# Altium PCB LimeSDR-XTRX_1v1.PcbDoc (part 3 of 8)
Units mm, origin at the board's own origin, x right, y up, seen from the top; angles counter-clockwise.
Board outline 50.8 x 29.7 mm, 8 copper layers (Top, L2, L3, L4, L5, L6, L7, Bottom), stack 0.925 mm thick; 536 components, 379 nets, 2133 pads, 899 vias.
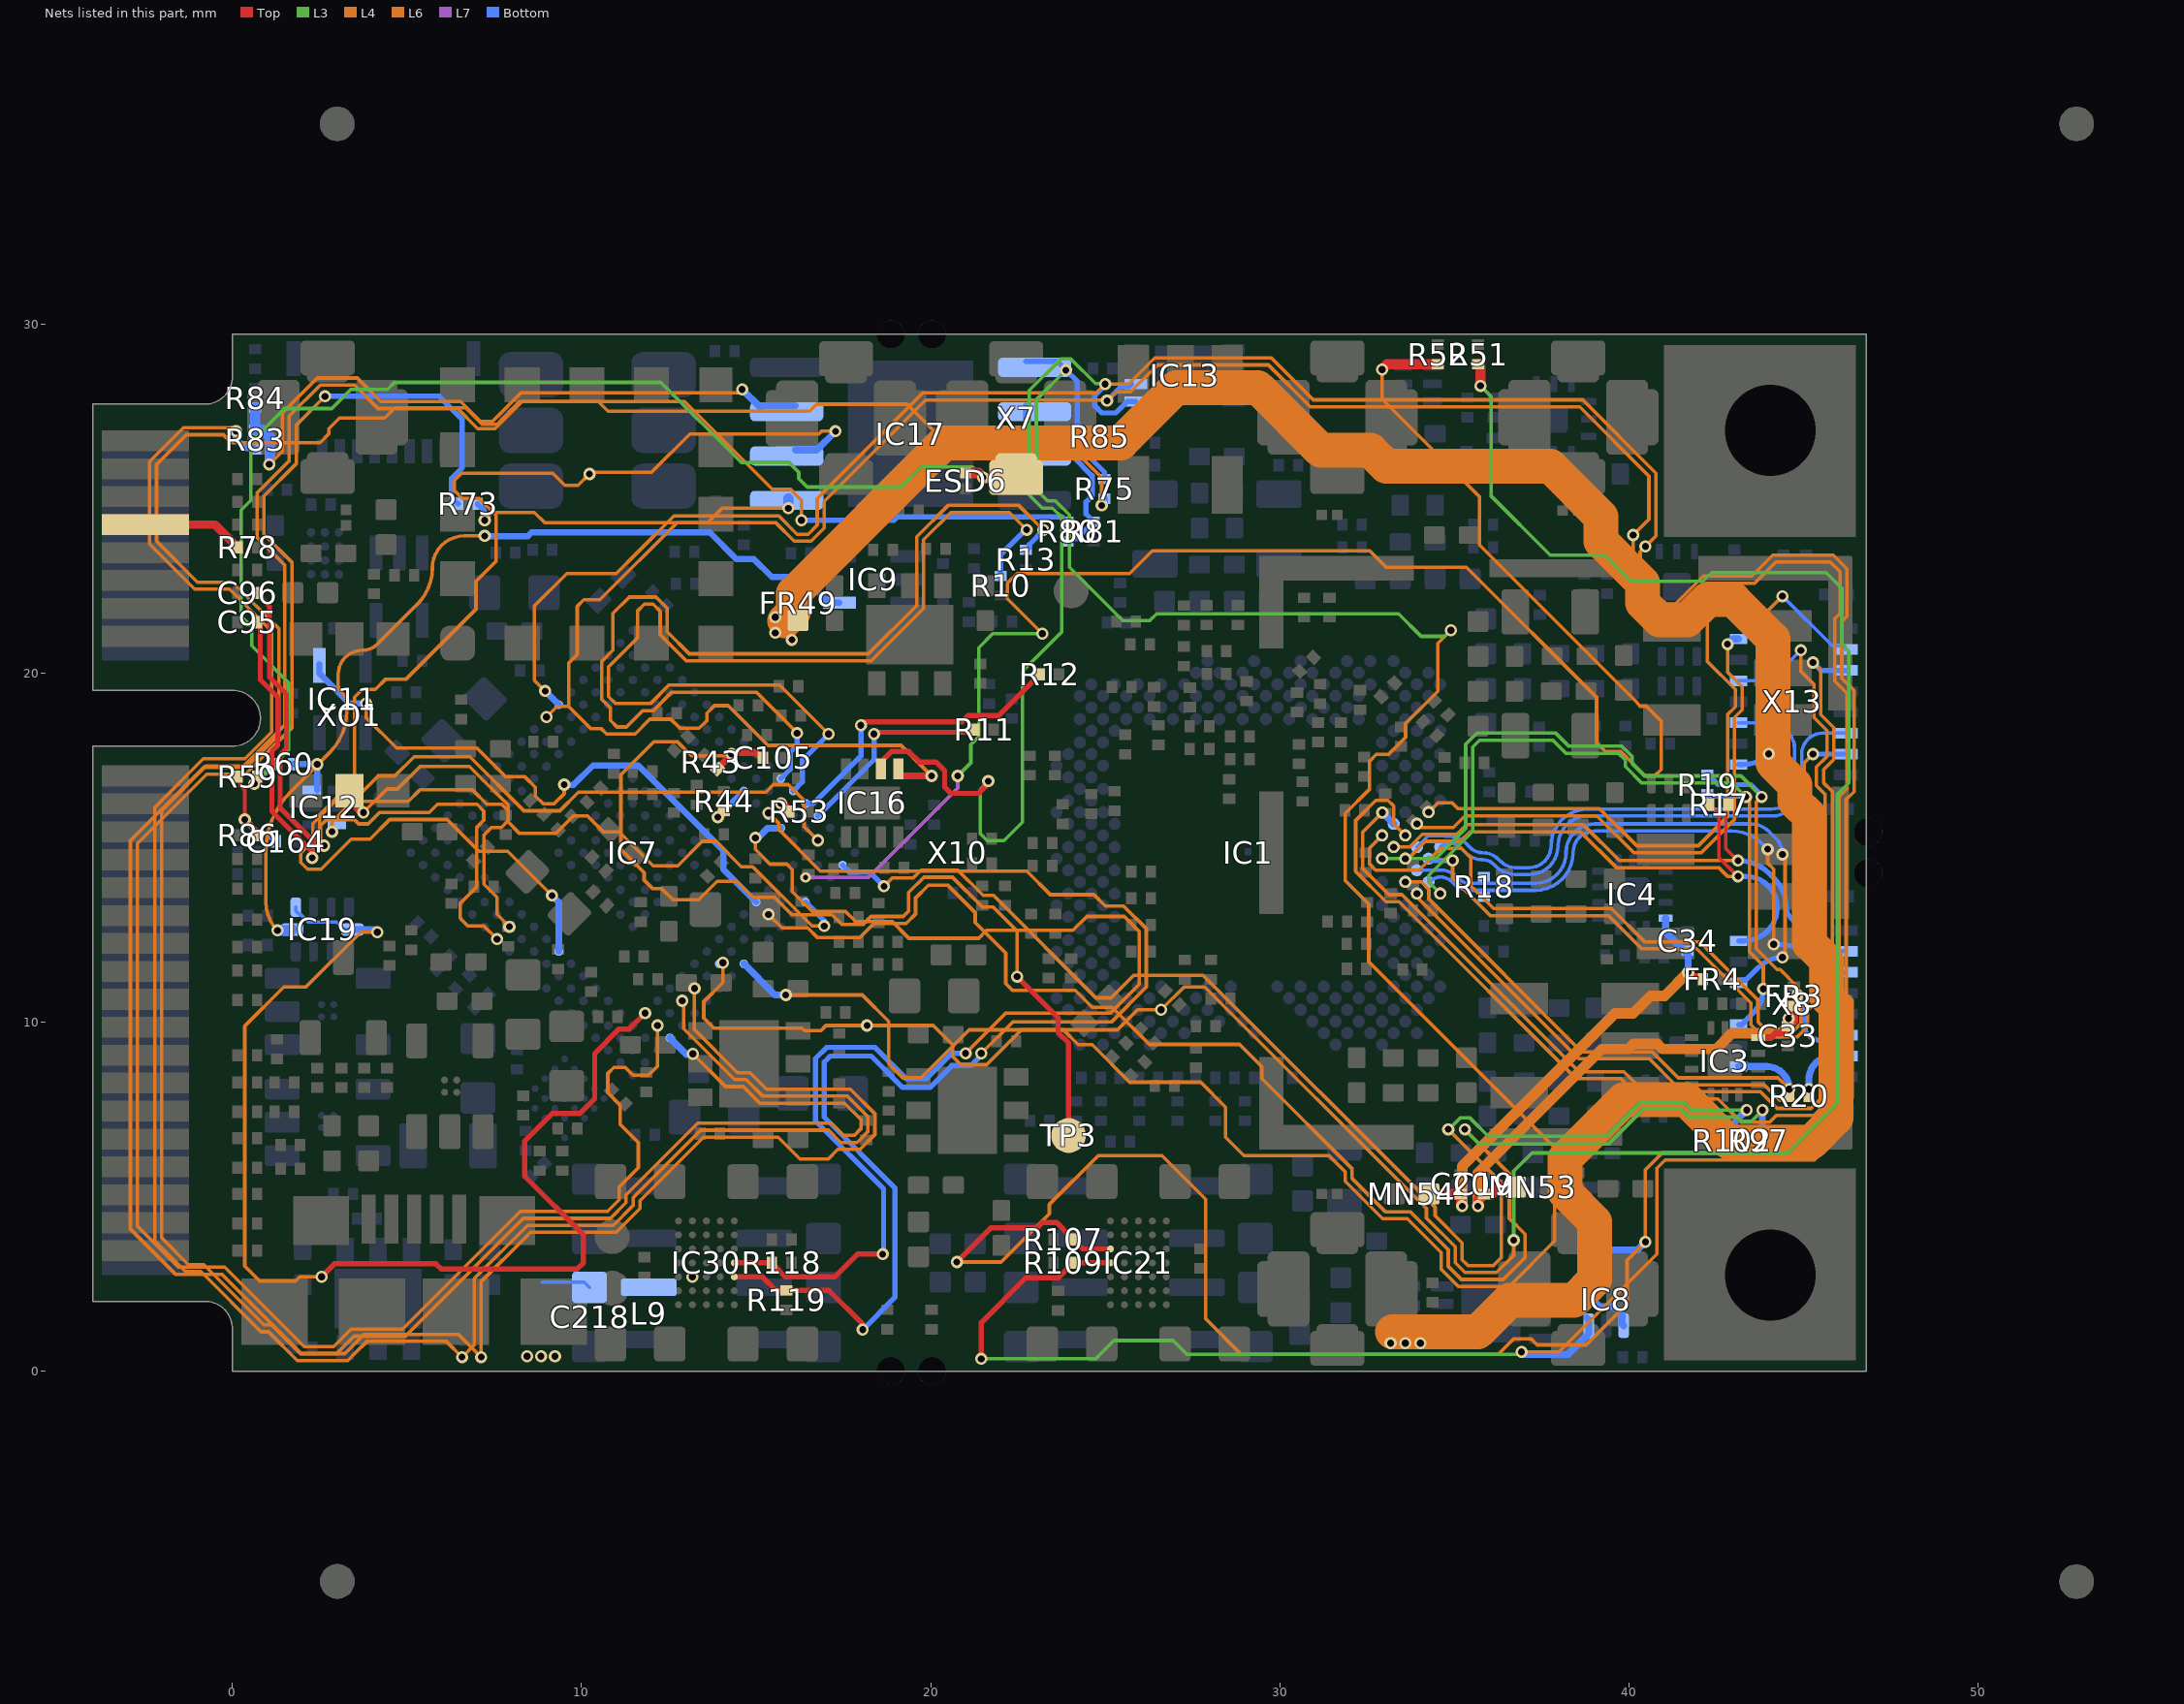
[diagram p9: the nets of this part, all layers, seen from the top]

## Via types
v1: diameter 0.35, hole 0.2, Top to Bottom, tented both sides, 751 vias
v2: diameter 0.35, hole 0.2, L5 to Bottom, tented both sides, 105 vias
v3: diameter 0.4, hole 0.2, Top to Bottom, tented both sides, 26 vias
v4: diameter 0.3, hole 0.15, L7 to Bottom, tented both sides, 13 vias
v5: diameter 0.5, hole 0.2, Top to Bottom, tented both sides, 4 vias

## Nets (pads, with @x,y where several pads share a name; then routed paths per layer and width w, separated by ;. In a path a pad name is that pad's centre, name@x,y a point inside that pad or via, vN(x,y) a via of type N, cw(c..) or ccw(c..) an arc to the next point about the centre after c; other vN are vias at no path point) (continued)
+2.05V: C218.2 FR49.1 IC30.E2 L9.2 | length 71
  L4 w1: 15.825,21.5 16.075,21.75 16.075,22.281 20.388,26.594 25.452,26.594 27.033,28.175 27.717,28.175 29.367,28.175 29.392,28.15 29.4,28.15 31.175,26.375 32.6,26.375 33.05,25.925 37.75,25.925 39.2,24.475 39.2,23.775 40.4,22.575 40.4,22.004 40.879,21.525 41.675,21.525 42.25,22.1 43,22.1 44.125,20.975 44.125,17.425 44.75,16.8 44.75,16.325 45.175,15.9 45.175,12.25 45.675,11.75 45.675,10.7 45.93,10.445 45.93,7.255 45.225,6.55 42.875,6.55 41.65,7.775 39.854,7.775 38.175,6.096 38.175,5.125 39.025,4.275 39.025,2.625 38.425,2.025 36.575,2.025 35.675,1.125 33.225,1.125
  Bottom w0.1: 8.875,2.55 10.075,2.55 C218.2@10.225,2.4
  other v1: 8.438,0.425 8.838,0.425 9.237,0.425 33.175,0.8 33.6,0.8 34.025,0.8 13.175,2.7 16.025,20.95 15.55,21.15 15.55,21.6
+3,3V_RX1: C19.1 C33.1 FR3.1 IC3.4 MN53.2 | length 15
  Top w0.2: IC3.4@43.702,9.55 44.072,9.55 44.197,9.675 44.345,9.675 C33.1@44.55,9.88
  Top w0.3: v1(35.675,4.725) 35.685,4.735 35.685,4.905 35.825,5.045 35.825,5.07 C19.1@35.85,5.07 36.07,5.07 36.275,5.275 MN53.2@36.75,5.275 ; C33.1@44.55,9.88 44.7,10.03 FR3.1@44.7,10.455
  L4 w0.3: v1(35.675,4.725) 35.675,5.675 39.225,9.225 39.983,9.225 40.133,9.375 40.817,9.375 40.967,9.225 42.5,9.225 42.95,9.675 44.35,9.675 44.575,9.9 v1(44.575,10.1)
+3,3V_RX2: C20.1 C34.1 FR4.1 IC4.4 MN54.2 | length 13.5
  Top w0.2: v1(41.7,11.425) 41.825,11.3 42.07,11.3 42.12,11.25 FR4.1@42.12,11.225
  Top w0.3: MN54.2@34.275,5.075 34.28,5.07 C20.1@35.175,5.07 35.2,5.07 35.2,4.764 35.225,4.739 v1(35.225,4.725)
  L4 w0.3: v1(35.225,4.725) 35.225,5.875 39.6,10.25 40.125,10.25 40.625,10.75 41.025,10.75 v1(41.7,11.425)
  Bottom w0.2: IC4.4@41.053,12.975 41.053,12.572 C34.1@41.69,11.935 ; v1(41.7,11.425) C34.1@41.7,11.945
ADC1I_N: IC1.U5 R17.2 X8.3 | length 16.7
  Top w0.1: R17.2@42.855,16.225 42.775,16.145 42.775,14.965 43.115,14.625 v1(43.125,14.625)
  L6 w0.1: v2(33.263,15.012) 33.271,15.02 33.73,15.02 34.085,15.375 35.075,15.375 35.35,15.65 38.7,15.65 39.725,14.625 v1(43.125,14.625) v1@43.15,14.625
  Bottom w0.15: v1(43.125,14.625) cw(c43.125,13.358) 44.021,14.254 44.182,14.093 cw(c43.414,13.325) 44.5,13.325 ccw(c44.983,13.325) 44.642,12.983 45.17,12.455 ccw(c46.207,13.492) X8.3@46.207,12.025
ADC1I_P: IC1.V4 R17.1 X8.2 | length 16.1
  Top w0.1: R17.1@42.295,16.225 42.295,16.2 42.395,16.1 42.42,16.1 42.575,15.945 42.575,14.715 43.115,14.175 v1(43.125,14.175)
  L6 w0.1: v2(33.596,14.679) 33.672,14.679 34.168,15.175 35.175,15.175 35.45,15.45 38.617,15.45 39.642,14.425 42.575,14.425 42.825,14.175 v1(43.125,14.175)
  Bottom w0.15: v1(43.125,14.175) 43.35,14.175 cw(c43.35,13.275) 44.25,13.275 cw(c43.3,13.275) 43.3,12.325 X8.2@43.142,12.325
ADC1Q_N: IC1.W3 R18.1 X8.6 | length 16.4
  L6 w0.1: v2(44.4,11.85) 44.475,11.925 44.475,14.725 v2(44.4,14.8)
  Bottom w0.1: IC1.W3@33.929,14.346 33.937,14.354 34.603,14.354 cw(c34.603,13.689) 35.074,14.159 35.141,14.091 ccw(c35.422,14.372) 35.422,13.975 37.325,13.975 ccw(c37.325,14.85) 38.2,14.85 cw(c39.025,14.85) 39.025,15.675 43.482,15.675 cw(c43.482,14.907) 44.025,15.45 44.234,15.241 cw(c43.892,14.9) v2@44.375,14.9
  Bottom w0.15: X8.6@43.142,11.125 43.217,11.2 43.35,11.2 43.717,11.567 cw(c44.4,10.884) v2(44.4,11.85)
ADC1Q_P: IC1.Y2 R18.2 X8.5 | length 16.1
  L6 w0.1: v2(43.975,14.95) 43.975,14.55 44.15,14.375 v2(44.15,12.225)
  Bottom w0.1: IC1.Y2@34.262,14.013 ccw(c34.262,14.116) 34.334,14.043 cw(c34.602,13.775) 34.602,14.154 cw(c34.602,13.686) 34.933,14.017 35,13.95 ccw(c35.422,14.372) 35.422,13.775 37.325,13.775 ccw(c37.325,14.85) 38.4,14.85 cw(c39.025,14.85) 39.025,15.475 42.925,15.475 cw(c42.925,14.207) 43.821,15.104 v2(43.975,14.95)
  Bottom w0.15: v2(44.15,12.225) 44.276,12.225 cw(c44.276,10.598) 45.427,11.748 ccw(c46.207,12.529) X8.5@46.207,11.425
ADC2I_N: IC1.V6 R19.2 X8.11 | length 25.1
  L3 w0.1: v1(32.93,14.679) 34.456,14.679 35.325,15.548 35.325,17.958 35.642,18.275 37.908,18.275 38.283,17.9 39.8,17.9 40.1,17.6 40.1,17.4 40.45,17.05 43.21,17.05 43.8,16.46 v1(43.8,16.45)
  L6 w0.1: v1(43.8,16.45) 43.65,16.3 43.65,13.9 43.65,12.1 44.25,11.5 44.335,11.5 44.812,11.022 44.812,10.787 v2(44.825,10.775)
  Bottom w0.15: R19.2@42.25,17.08 42.275,17.08 42.555,16.8 43.495,16.8 43.8,16.495 v1(43.8,16.45) ; v2(44.825,10.775) cw(c44.403,10.353) 45,10.353 45,9.975 ccw(c45.5,9.975) 45.5,9.475 45.79,9.475 ccw(c45.79,9.987) X8.11@46.152,9.625
ADC2I_P: IC1.AA1 R19.1 X8.10 | length 21.6
  L3 w0.1: v1(34.595,13.68) 34.275,14 34.275,14.215 35.525,15.465 35.525,17.875 35.725,18.075 37.825,18.075 38.2,17.7 39.7,17.7 39.9,17.5 39.9,17.317 40.367,16.85 42.95,16.85 v1(43.35,16.45)
  L6 w0.1: v1@43.45,16.45 43.45,12.017 43.85,11.617 v2(43.85,10.95)
  Bottom w0.15: R19.1@42.25,16.52 42.295,16.475 v1@43.275,16.475 ; X8.10@43.142,9.925 43.242,9.925 43.317,10 43.317,10.023 43.571,10.276 ccw(c42.898,10.949) v2(43.85,10.95)
ADC2Q_N: IC1.Y4 R20.1 X8.14 | length 15.6
  Top w0.3: R20.1@44.595,7.875 v1(44.595,8.075)
  L6 w0.1: v2(33.596,14.013) 34.055,14.013 34.27,13.799 34.27,13.523 38.646,9.146 40.671,9.146 41.417,8.4 44.27,8.4 v1(44.595,8.075)
  Bottom w0.2: X8.14@43.142,8.725 43.945,8.725 cw(c43.945,8.075) v1(44.595,8.075)
ADC2Q_P: IC1.AA3 R20.2 X8.13 | length 15.4
  Top w0.3: R20.2@45.155,7.875 v1(45.155,8.075)
  L6 w0.1: v2(33.929,13.68) 33.929,13.581 38.563,8.946 40.589,8.946 41.335,8.2 43.878,8.2 44.328,7.75 44.83,7.75 v1(45.155,8.075)
  Bottom w0.2: v1(45.155,8.075) 45.155,8.348 cw(c45.832,8.348) 45.832,9.025
BOM_VER0: IC7.J18 R51.2 | length 73.6
  Top w0.3: R51.2@35.675,28.845 35.7,28.845 35.7,28.82 35.75,28.77 v1(35.75,28.225)
  L3 w0.1: v1(35.75,28.225) 36.05,27.925 36.05,25.075 37.75,23.375 39.3,23.375 40.05,22.625 42.125,22.625 42.375,22.875 45.65,22.875 46.1,22.425 46.1,20.825 46.3,20.625 46.3,16.85 45.975,16.525 45.975,7.675 44.55,6.25 37.225,6.25 36.7,5.725 v1(36.7,3.75)
  L4 w0.1: v1(18.175,9.9) 20.075,9.9 20.625,9.35 20.625,9.015 20.865,8.775 21.6,8.775 22.6,9.775 25.35,9.775 25.925,10.35 v1(26.6,10.35)
  L6 w0.1: v2(14.05,11.7) 14.05,11.133 13.5,10.583 13.5,10.117 13.792,9.825 16.315,9.825 16.39,9.75 16.85,9.75 17,9.9 v1(18.175,9.9) ; v1(26.6,10.35) 27.258,11.008 27.851,11.008 34.2,4.659 34.2,4.383 35.025,3.558 35.025,3.183 35.025,3.108 35.308,2.825 36.21,2.825 36.7,3.315 v1(36.7,3.75)
BOM_VER1: IC7.T18 R52.2 | length 52.8
  Top w0.3: v1(32.93,28.695) 33.08,28.845 R52.2@34.525,28.845
  L3 w0.1: v1(20.775,17.05) 21.15,17.425 21.15,17.95 21.375,18.175 21.375,20.723 21.777,21.125 v1(23.2,21.125)
  L7 w0.1: v4(16.416,14.143) 18.218,14.143 20.775,16.7 v1(20.775,17.05) v1@20.775,17.125
  L6 w0.1: v1(23.2,21.125) 22.2,22.125 22.2,22.575 22.475,22.85 25.7,22.85 26.35,23.5 32.575,23.5 33.05,23.025 35.35,23.025 39.075,19.3 39.075,18 39.325,17.75 39.77,17.75 40.47,17.05 40.74,17.05 40.93,17.24 40.93,18.62 40.5,19.05 40.325,19.05 40.25,19.125 40.25,19.141 35.725,23.666 35.725,25.05 32.93,27.845 v1(32.93,28.695)
BOM_VER2: IC7.V14 R53.2 | length 0.3
  Top w0.3: v1(15.709,16.264) R53.2@15.944,16.03
C0_N: C96.2 IC7.A8 | length 18.7
  Top w0.14: C96.2@0.68,22.295 1.055,21.92 1.055,19.884 1.54,19.399 1.54,17.826 1.365,17.651 1.365,16.135 2.45,15.05 v1(2.625,15.05)
  L6 w0.1: v1(2.625,15.05) 2.625,15.118 2.525,15.218 2.525,15.625 2.7,15.8 3.49,15.8 3.615,15.675 3.885,15.675 4.21,16 5.635,16 5.87,16.236 7.005,16.236 7.196,16.045 7.196,15.776 7,15.581 7,13.875 6.525,13.4 6.525,12.975 6.546,12.954 6.546,12.948 6.736,12.757 7.196,12.757 v2(7.578,12.375)
C0_P: C95.2 IC7.B8 | length 18.9
  Top w0.14: C95.2@0.705,21.453 0.8,21.358 0.8,19.8 1.3,19.3 1.3,17.925 1.125,17.75 1.125,16.036 2.28,14.88 v1(2.28,14.705)
  L6 w0.1: v1(2.28,14.705) 2.252,14.733 2.3,14.781 2.3,15.683 2.942,16.325 5.04,16.325 5.365,16.65 6.875,16.65 7.289,16.236 7.712,16.236 7.903,16.045 7.903,15.776 7.702,15.575 7.418,15.575 7.2,15.357 7.2,13.95 7.575,13.575 7.575,13.085 v2(7.931,12.729)
CLK: ESD6.1 R59.1 R60.1 X7.1 | length 36.6
  Top w0.3: v1(0.625,16.825) 0.705,16.905 R59.1@0.705,17.025 ; ESD6.1@21,25.725 21.375,25.725 v1(21.5,25.6) 21.525,25.575 X7.1@22.1,25.575 ; X7.1@22.325,25.575 X7.1@22.45,25.7
  L3 w0.1: v1(0.625,16.825) 1.6,17.8 1.6,19.725 0.55,20.775 0.55,20.865 0.55,21.325 0.25,21.625 0.25,24.667 0.525,24.942 0.525,26.608 0.625,26.708 1.492,27.575 2.842,27.575 3.392,28.125 4.442,28.125 4.642,28.325 12.275,28.325 14.575,26.025 15.942,26.025 16.22,25.747 16.22,25.57 16.465,25.325 19.15,25.325 19.725,25.9 21.2,25.9 v1(21.5,25.6)
  Bottom w0.18: v1@0.618,16.832 R60.1@1.171,17.385
CLK_IN: C164.1 R59.2 R86.1 | length 3.1
  Top w0.1: R59.2@0.145,17.025 0.223,16.947 0.223,16.766 0.35,16.64 v1(0.35,15.8)
  Top w0.18: v1(0.35,15.8) 0.702,15.448 R86.1@0.702,15.322
  Bottom w0.18: v1(0.35,15.8) 0.75,15.4 0.995,15.4 C164.1@1.22,15.175
CLK_OUT: IC9.4 IC12.3 IC19.10 R60.2 | length 27.6
  L4 w0.1: v1@2.438,17.372 2.769,17.704 ccw(c1.548,18.925) 3.275,18.925 3.275,19.088 ccw(c2.763,19.088) 3.125,19.45 cw(c3.366,19.691) 3.025,19.691 3.025,19.95 cw(c3.725,19.95) 3.725,20.65 ccw(c3.725,21.254) 4.152,20.827 5.291,21.966 ccw(c4.245,23.013) 5.725,23.013 cw(c6.637,23.013) 5.818,23.414 cw(c6.637,23.013) 6.637,23.925 v1(7.225,23.925)
  L6 w0.1: v1(1.288,12.625) cw(c2.103,13.44) 0.95,13.44 0.95,14.85 cw(c3.449,14.85) 1.682,16.617 v1@2.45,17.385
  Bottom w0.18: R60.2@1.681,17.385 R60.2@1.731,17.385 v1(2.425,17.385) ; IC12.3@2.425,16.638 v1@2.425,17.382 ; v1@2.45,17.382 v1@2.45,17.385 ; v1(7.225,23.925) 7.225,23.91 8.451,23.91 8.566,24.025 13.675,24.025 14.44,23.26 14.94,23.26 15.45,22.75 16.35,22.75 17.085,22.015 IC9.4@17.385,22.015
  Bottom w0.3: v1(1.288,12.625) 1.653,12.625 ccw(c1.653,12.71) IC19.10@1.713,12.65
CLK_REQUEST#: R78.1 X10.7 | length 2.9
  Top w0.25: X10.7@-2.5,24.25 -0.505,24.249 R78.1@0.145,23.599
DAC1I_N: IC1.R5 X13.6 | length 34.1
  L6 w0.1: v2(32.938,16.003) 32.375,15.441 32.375,14.4 33.125,13.65 33.499,13.65 38.574,8.575 39.858,8.575 40.433,8 43.775,8 44.25,7.525 45.217,7.525 45.775,8.083 45.775,10.35 45.625,10.5 45.625,16.525 45.375,16.775 45.375,17.308 45.675,17.608 45.675,18.35 45.3,18.725 45.3,19.675 44.925,20.05 v2(44.925,20.65)
  Bottom w0.1: X13.6@43.142,19.775 44.05,19.775 v2(44.925,20.65)
  Bottom w0.2: v2(32.938,16.003) IC1.R5@33.263,15.678
DAC1I_P: IC1.T4 X13.5 | length 34.8
  L6 w0.1: v2(33.596,15.345) 33.263,15.678 33.263,16.187 33.1,16.35 32.75,16.35 32.175,15.775 32.175,14.317 33.042,13.45 33.416,13.45 38.491,8.375 39.775,8.375 40.35,7.8 42.55,7.8 43.225,7.125 44.025,7.125 44.225,7.325 45.3,7.325 45.975,8 45.975,10.433 45.825,10.583 45.825,16.608 45.575,16.858 45.575,17.225 45.875,17.525 45.875,18.433 45.5,18.808 45.5,20.075 v2(45.275,20.3)
  Bottom w0.15: v2(45.275,20.3) 45.5,20.075 X13.5@46.207,20.075
DAC1Q_N: IC1.P2 X13.3 | length 20.4
  L6 w0.1: v2(34.262,16.011) 34.525,16.275 34.942,16.275 35.109,16.109 39.166,16.109 40.225,15.05 41.992,15.05 42.825,15.883 42.825,18.558 42.825,18.808 43.05,19.033 43.05,19.525 42.25,20.325 42.25,21.45 42.55,21.75 43.95,21.75 v1(44.4,22.2)
  Bottom w0.1: v1(44.4,22.2) 45.825,20.775 46.108,20.775 X13.3@46.207,20.675
DAC1Q_P: IC1.R3 X13.2 | length 15.8
  L6 w0.1: v2(33.929,15.678) 34.032,15.575 34.975,15.575 35.309,15.909 39.084,15.909 40.142,14.85 42.075,14.85 43.025,15.8 43.025,18.725 43.25,18.95 43.25,19.608 42.825,20.033 v1(42.825,20.825)
  Bottom w0.2: v1(42.825,20.825) 42.975,20.975 X13.2@43.142,20.975
DAC2I_N: IC1.T6 X13.14 | length 26
  L6 w0.1: v2(32.93,15.345) 32.575,14.991 32.575,14.525 32.746,14.354 33.985,14.354 34.603,14.972 35.207,14.972 35.475,14.704 35.475,13.9 36.125,13.25 39.5,13.25 40.45,12.3 42.025,12.3 43.7,10.625 43.7,10.008 43.933,9.775 44.742,9.775 44.925,9.958 44.925,10.408 45.225,10.708 45.225,16.117 44.8,16.542 44.8,16.888 v2(44.006,17.681)
  Bottom w0.15: X13.14@43.142,17.375 43.267,17.375 ccw(c43.267,18.421) v2(44.006,17.681)
DAC2I_P: IC1.V2 X13.13 | length 22.9
  L6 w0.1: v2(34.951,14.625) 34.951,14.124 36.025,13.05 39.417,13.05 40.367,12.1 41.942,12.1 43.5,10.542 43.5,9.925 43.85,9.575 44.825,9.575 45.125,9.875 45.125,10.325 45.425,10.625 45.425,16.2 45.025,16.6 45.025,17.424 v2(45.276,17.675)
  Bottom w0.15: IC1.V2@34.262,14.679 34.262,14.625 v2(34.951,14.625) ; v2(45.276,17.675) X13.13@46.207,17.675
DAC2Q_N: IC1.U1 X13.11 | length 14.6
  Bottom w0.1: IC1.U1@34.595,15.012 34.642,15.06 34.664,15.06 ccw(c34.664,15.171) 34.742,15.092 cw(c34.821,15.014) 34.821,15.125 cw(c34.821,14.58) 35.206,14.965 35.321,14.85 ccw(c35.804,15.332) 35.804,14.65 cw(c35.804,14.176) 36.139,14.511 36.202,14.448 ; 36.202,14.448 ccw(c36.741,14.988) 36.741,14.225 37.147,14.225 ccw(c37.147,15.05) 37.972,15.05 cw(c38.822,15.05) 38.822,15.9 44.09,15.9 ccw(c44.09,16.76) 44.95,16.76 44.95,17.675 cw(c45.55,17.675) 45.55,18.275 X13.11@46.207,18.275
DAC2Q_P: IC1.U3 X13.10 | length 15.7
  Bottom w0.1: IC1.U3@33.929,15.012 34.254,15.337 34.729,15.337 ccw(c34.759,15.367) 34.759,15.325 34.823,15.325 cw(c34.823,14.586) 35.346,15.108 35.463,14.991 ccw(c35.804,15.333) 35.804,14.85 ; 35.805,14.85 cw(c35.805,14.178) 36.28,14.653 36.341,14.591 ccw(c36.743,14.993) 36.743,14.425 37.147,14.425 ccw(c37.147,15.05) 37.772,15.05 cw(c38.822,15.05) 38.822,16.1 44.09,16.1 ccw(c44.09,16.76) 44.75,16.76 44.75,17.806 ccw(c43.981,17.806) 43.981,18.575 X13.10@43.142,18.575
DONE: IC7.U12 R44.2 | length 1.3
  Top w0.3: v1(13.902,15.871) R44.2@14.075,16.045
  Bottom w0.2: v1(13.902,15.871) IC7.U12@14.649,16.618
EN_GPIO: IC7.D17 IC19.1 IC19.5 | length 34.6
  Top w0.15: v1(2.55,2.7) 2.925,3.075 5.825,3.075 5.975,2.925 9.875,2.925 10.05,3.1 10.05,3.9 8.375,5.575 8.375,6.596 9.154,7.375 9.95,7.375 10.375,7.8 10.375,9.1 11.075,9.8 11.366,9.8 v1(11.82,10.254)
  L4 w0.1: v1(2.55,2.7) 1.925,2.7 1.8,2.575 0.783,2.575 0.35,3.008 0.35,9.885 1.465,11 2.1,11 3.675,12.575 v1(4.15,12.575)
  Bottom w0.1: IC19.1@1.813,13.29 1.813,13.179 1.911,13.08 1.955,13.08 2.17,12.865 2.985,12.865 3.2,12.65 IC19.5@3.437,12.65
  Bottom w0.2: IC19.5@3.437,12.65 4.075,12.65 v1(4.15,12.575)
EN_TCXO: IC7.R19 XO1.6 | length 18.6
  Top w0.3: XO1.6@3.35,16.625 3.6,16.375 3.6,16.164 3.75,16.014 v1(3.75,16)
  L4 w0.1: v1(3.75,16) 4.425,16.675 4.725,16.675 5.375,17.325 6.785,17.325 7.903,16.207 7.903,15.722 8.225,15.4 9.26,15.4 9.76,15.9 10.175,15.9 10.625,15.45 11.076,15.45 12.051,14.475 12.753,14.475 13.453,15.175 13.85,15.175 14.575,14.45 14.9,14.45 16.6,12.75 v1(16.95,12.75)
  Bottom w0.15: IC7.R19@16.416,13.436 16.95,12.902 v1(16.95,12.75)
EXT_CLK: IC7.V17 IC12.6 | length 17
  L4 w0.1: v1(2.85,15.45) 2.85,15.725 4.175,17.05 4.65,17.05 5.2,17.6 6.8,17.6 8.35,16.05 9.375,16.05 9.914,16.589 15.281,16.589 15.492,16.8 15.925,16.8 16.375,16.35 16.375,15.599 v1(16.77,15.204)
FPGA_CFG_CCLK: IC7.C11 IC17.6 | length 38.3
  L4 w0.1: v1(9.15,13.625) 7.882,14.893 7.057,14.893 6.15,15.8 4.505,15.8 3.942,15.238 3.395,15.238 2.538,14.38 2.146,14.38 1.955,14.571 1.955,14.84 2.5,15.385 2.5,15.95 3.5,16.95 3.5,19.308 3.721,19.529 4.096,19.529 4.392,19.825 4.975,19.825 6.975,21.825 6.975,22.625 7.55,23.2 7.55,24.51 7.06,25 6.584,25 6.35,25.234 6.35,25.51 6.565,25.725 9.175,25.725 9.525,25.375 9.9,25.375 v1(10.225,25.7)
  L6 w0.1: v1(10.225,25.7) 10.275,25.75 12,25.75 13.1,26.85 16.8,26.85 16.875,26.925 v1(17.273,26.925)
  Bottom w0.2: v1(9.15,13.625) 9.345,13.43 IC7.C11@9.345,12.022 ; IC17.6@16.125,26.39 16.738,26.39 v1(17.273,26.925) v1@17.273,26.975
FPGA_CFG_CS: IC7.K19 IC17.1 R85.2 | length 73.8
  L3 w0.1: v1(23.875,28.675) 23.025,27.825 23.025,25.25 23.35,24.925 23.575,24.925 23.975,24.525 23.975,23.025 25.5,21.5 26.275,21.5 26.47,21.695 33.405,21.695 34.05,21.05 34.725,21.05 v1(34.9,21.225)
  L6 w0.1: v2(15.85,10.775) 18.042,10.775 18.8,10.017 18.8,8.805 19.205,8.4 19.725,8.4 21.1,9.775 23.8,9.775 24.225,9.35 24.625,9.35 25.7,8.275 27.735,8.275 28.45,7.56 28.45,6.7 28.975,6.175 31.41,6.175 31.875,5.71 31.875,5.433 32.94,4.367 33.65,4.367 34.625,3.392 34.625,2.917 35.117,2.425 36.575,2.425 37.875,3.725 37.875,6.4 32.55,11.725 32.55,13.375 31.875,14.05 31.875,15.975 32.575,16.675 32.575,17.475 32.768,17.668 33.118,17.668 33.604,18.154 33.604,18.554 34.525,19.475 34.525,20.85 v1(34.9,21.225)
  Bottom w0.15: IC17.1@22.725,28.93 23.62,28.93 v1(23.875,28.675) 24.2,28.35 24.2,27.13 R85.2@24.55,26.78
  Bottom w0.2: IC7.K19@14.649,11.668 15.542,10.775 v2(15.85,10.775)
FPGA_CFG_D00: IC7.D18 R73.2 | length 58.2
  L6 w0.1: v1(2.65,27.925) 1.825,27.1 1.825,25.992 0.9,25.067 0.9,23.975 1.7,23.175 1.7,18.425 0.375,17.1 -0.742,17.1 -2.725,15.117 -2.725,4.15 -1.55,2.975 -0.225,2.975 2.05,0.7 2.9,0.7 3.4,1.2 4.867,1.2 8.242,4.575 10.744,4.575 11.075,4.906 11.075,5.275 11.625,5.825 11.625,6.55 11.1,7.075 11.1,7.625 10.75,7.975 10.75,8.525 10.925,8.7 11.25,8.7 11.475,8.475 11.915,8.475 12.174,8.734 v2(12.174,9.9)
  Bottom w0.15: v1(2.65,27.925) 5.92,27.925 6.575,27.27 6.575,25.87 6.275,25.57 6.275,25.035 R73.2@6.465,24.845
FPGA_CFG_D00_R: IC17.5 R73.1 | length 9.9
  L6 w0.1: v1(7.225,24.375) 7.45,24.6 8.65,24.6 8.95,24.3 13.6,24.3 14.017,24.717 v1(15.925,24.717)
  Bottom w0.15: R73.1@7.025,24.845 7.025,24.82 7.1,24.745 7.125,24.745 7.225,24.645 v1(7.225,24.375)
  Bottom w0.3: v1(15.925,24.717) IC17.5@15.925,25
FPGA_CFG_D01: IC7.D19 R75.2 | length 85.3
  L6 w0.1: v2(13.187,9.088) 14.125,8.15 14.635,8.15 15.11,7.675 17.535,7.675 18,7.21 18,6.94 17.81,6.75 17.508,6.75 17.158,7.1 13.325,7.1 11.275,5.05 11.275,4.824 10.826,4.375 8.325,4.375 4.95,1 3.483,1 2.983,0.5 1.967,0.5 -0.308,2.775 -1.633,2.775 -2.925,4.067 -2.925,15.2 -0.825,17.3 0.292,17.3 1.5,18.508 1.5,23.092 0.7,23.892 0.7,25.15 1.625,26.075 1.625,27.36 2.515,28.25 3.492,28.25 4.167,27.575 6.45,27.575 7.025,27 7.525,27 8.3,27.775 10.483,27.775 10.758,27.5 16.525,27.5 16.725,27.7 19.325,27.7 20.25,26.775 23.725,26.775 24.9,25.6 v1(24.9,24.8)
  Bottom w0.2: IC7.D19@12.527,9.547 12.999,9.075 v2@13.175,9.075 ; v1@24.845,24.8 v1(24.9,24.8) 24.975,24.875 R75.2@24.975,24.995
FPGA_CFG_D01_R: IC17.2 R75.1 | length 3.7
  Bottom w0.15: IC17.2@22.725,27.66 22.725,27.1 22.886,26.939 24.011,26.939 24.225,26.725 24.225,26.5 24.975,25.75 R75.1@24.975,25.555
FPGA_CFG_D02: IC7.G18 R80.2 | length 90.4
  L4 w0.1: v1(7.125,0.4) 6.475,1.05 3.767,1.05 3.217,0.5 1.942,0.5 1.117,1.325 0.901,1.325 -0.824,3.05 -1.267,3.05 -2.025,3.808 -2.025,16.067 -0.752,17.34 0.441,17.34 1.325,18.224 1.325,21.275 0,22.6 -1,22.6 -2.175,23.775 -2.175,25.975 -1.325,26.825 -0.26,26.825 -0.035,26.6 2.51,26.6 2.762,26.853 2.762,26.997 3.065,27.3 4.358,27.3 4.658,27.6 6.675,27.6 7.15,27.125 7.575,27.125 8.225,27.775 12.95,27.775 15.462,25.262 15.988,25.262 16.3,24.95 v1@16.3,24.425
  L6 w0.1: v1(7.125,0.4) 7.125,2.567 8.416,3.858 8.533,3.975 10.992,3.975 11.675,4.658 11.675,4.884 13.491,6.7 15.633,6.7 16.258,6.075 17.067,6.075 17.342,6.35 17.975,6.35 18.4,6.775 18.4,7.375 17.7,8.075 15.3,8.075 14.825,8.55 14.467,8.55 13.234,9.783 v2(13.234,10.961)
  Bottom w0.15: v1(16.3,24.375) 18.95,24.375 19.05,24.475 23.755,24.475 23.9,24.33 R80.2@23.925,24.33
FPGA_CFG_D02_R: IC17.3 R80.1 R81.2 | length 4.5
  Bottom w0.15: IC17.3@22.725,26.39 IC17.3@23.76,26.39 ; IC17.3@23.825,26.2 24.075,26.2 24.625,25.65 24.625,25.075 24.45,24.9 24.45,24.555 R81.2@24.675,24.33 24.65,24.33 24.575,24.255 24.575,24.242 24.178,23.845 24,23.845 R80.1@23.925,23.77
FPGA_CFG_D03: IC7.F18 R83.2 | length 64.3
  L4 w0.1: v1(0.1,26.925) 0,27.025 -1.408,27.025 -2.375,26.058 -2.375,25.892 -2.375,23.692 -1.083,22.4 -0.083,22.4 1.125,21.192 1.125,18.306 0.358,17.54 -0.835,17.54 -2.225,16.15 -2.225,3.725 -1.35,2.85 -0.906,2.85 0.819,1.125 1.034,1.125 1.859,0.3 3.3,0.3 3.517,0.517 3.85,0.85 6.125,0.85 v1(6.575,0.4)
  L6 w0.1: v1(6.575,0.4) 6.925,0.75 6.925,2.65 8.45,4.175 10.909,4.175 11.475,4.741 11.475,4.967 13.408,6.9 17.075,6.9 17.425,6.55 17.892,6.55 18.2,6.858 18.2,7.292 17.617,7.875 15.192,7.875 14.717,8.35 14.385,8.35 12.925,9.81 12.925,10.563 v2(12.881,10.607)
  Bottom w0.2: v1(0.1,26.925) 0.1,26.7 0.35,26.45 0.6,26.45 R83.2@0.65,26.4
FPGA_CFG_D03_R: IC17.7 R83.1 R84.2 | length 19.8
  L6 w0.1: v1(1.05,25.975) 1.425,26.35 1.425,27.45 2.425,28.45 3.575,28.45 4.25,27.775 6.533,27.775 7.108,27.2 7.442,27.2 8.267,28.025 14.5,28.025 v1(14.6,28.125)
  Bottom w0.2: v1(14.6,28.125) IC17.7@15.115,27.61 ; IC17.7@15.09,27.66 IC17.7@16.125,27.66
  Bottom w0.3: R84.2@0.65,27.595 R83.1@0.65,26.96 0.874,26.96 1.075,26.759 1.075,26.014 1.05,25.989 v1(1.05,25.975)
FPGA_CLK: IC7.N17 IC11.4 | length 17.1
  L4 w0.1: v1@3.825,19 3.825,18.725 4.7,17.85 7,17.85 7.825,17.025 8.375,17.025 8.675,16.725 8.675,16.475 8.7,16.45 8.703,16.45 8.703,16.447 8.893,16.257 9.218,16.257 9.5,16.539 v1(9.5,16.8)
  Bottom w0.18: IC11.4@2.49,20.25 IC11.4@2.49,20.215 2.49,19.985 3.35,19.125 v1(3.825,19.125) ; v1(9.5,16.8) 9.775,16.8 10.325,17.35 11.625,17.35 14.057,14.918 14.057,14.382 IC7.N17@15.002,13.436
FPGA_I2C1_SCL: IC7.M1 IC8.1 IC8.4 IC13.6 IC16.5 IC21.E5 R107.2 | length 125.8
  Top w0.15: v1(20.75,3.125) 21.725,4.1 23.05,4.1 23.209,4.259 23.604,4.259 23.987,3.875 24,3.875 24.075,3.8 R107.2@24.075,3.775 24.35,3.5 IC21.E5@25.15,3.5
  Top w0.2: IC16.5@19.075,17.25 19.075,17.1 19.125,17.05 20,17.05 v1@20.012,17.037
  L4 w0.1: v1(8.992,18.739) 9.3,19.047 9.628,19.047 ; v1(20.025,17.05) 19.15,17.925 15.34,17.925 14.201,19.064 13.807,19.064 13.588,18.845 13.588,18.633 13.369,18.414 12.817,18.414 12.556,18.675 11.954,18.675 11.533,18.253 10.719,18.253 10.573,18.4 10.275,18.4 9.628,19.047 ; v1(20.75,3.125) 22.017,3.125 23.4,4.508 23.4,4.775 24.8,6.175 26.625,6.175 27.875,4.925 27.875,1.5 28.9,0.475 36.25,0.475 36.7,0.925 37.2,0.925 37.375,0.75 38.775,0.75 39.95,1.925 39.95,3.175 v1(40.475,3.7) ; v1(40.125,23.95) 40.575,24.4 40.575,25.642 38.592,27.625 30.875,27.625 29.675,28.825 26.5,28.825 25.725,28.05 25.325,28.05 25.095,27.82 19.853,27.82 18.058,26.025 16.95,24.917 16.95,24.15 16.575,23.775 16.092,23.775 15.567,24.3 12.725,24.3 10.524,22.099 10.065,22.099 9.875,21.908 9.875,20.525 9.628,20.278 9.628,19.047
  L6 w0.1: v1(40.125,23.95) 40.125,22.6 40.95,21.775 41.417,21.775 42.217,22.575 43.608,22.575 44.208,23.175 45.775,23.175 46.05,22.9 46.05,21.708 45.9,21.558 45.9,19.767 46.25,19.417 46.25,16.683 46.025,16.458 46.025,10.701 46.2,10.526 46.2,7.907 45.375,7.082 45.375,6.4 45.225,6.25 40.955,6.25 40.475,5.77 v1(40.475,3.7)
  Bottom w0.15: v1@25.001,27.749 25.453,28.2 25.675,28.2 IC13.6@25.75,28.275
  Bottom w0.2: IC8.4@39.85,1.3 39.81,1.34 39.81,1.615 39.575,1.85 39.166,1.85 38.85,2.166 IC8.1@38.85,2.8 38.85,3.325 39,3.475 40.25,3.475 v1(40.475,3.7)
  other v1: 25.05,27.8
FPGA_I2C1_SDA: IC7.N1 IC8.6 IC13.5 IC16.6 IC21.D5 R109.2 | length 130.2
  Top w0.15: IC16.6@18.575,17.25 18.65,17.325 18.65,17.522 18.878,17.75 19.375,17.75 19.675,17.45 20.15,17.45 20.4,17.2 20.4,16.725 20.575,16.55 21.375,16.55 21.6,16.775 v1@21.6,16.875 ; v1(21.45,0.35) 21.45,1.39 22.734,2.674 23.662,2.674 23.987,3 24,3 24.075,3.075 R109.2@24.075,3.1 IC21.D5@25.15,3.1
  L3 w0.1: v1(21.45,0.35) 24.725,0.35 25.25,0.875 26.95,0.875 27.35,0.475 v1@36.925,0.475 ; v1(21.65,16.9) 21.65,16.89 21.425,16.665 21.425,15.39 21.615,15.2 22.1,15.2 22.625,15.725 22.625,20.05 23.75,21.175 23.75,24.467 23.492,24.725 23.2,24.725 22.825,25.1 22.825,28.091 23.734,29 24.01,29 24.722,28.287 24.988,28.287 v1(25,28.275)
  L4 w0.1: v1(8.956,19.482) 8.65,19.788 8.65,21.925 9.575,22.85 10.992,22.85 11.567,23.425 12.642,24.5 13.892,24.5 15.65,24.5 16.175,23.975 16.492,23.975 16.75,24.233 16.75,25 19.775,28.025 24.75,28.025 v1(25,28.275) 25.667,28.275 26.392,29 26.417,29.025 29.758,29.025 30.958,27.825 34.033,27.825 38.675,27.825 40.775,25.725 40.775,23.925 v1(40.475,23.625)
  L6 w0.1: v1(36.925,0.55) 38,0.55 40.8,3.35 40.8,5.812 41.038,6.05 42.958,6.05 45.308,6.05 45.575,6.317 45.575,6.999 46.4,7.824 46.4,10.625 46.225,10.8 46.225,16.375 46.45,16.6 46.45,19.5 46.1,19.85 46.1,21.475 46.25,21.625 46.25,22.983 45.858,23.375 44.125,23.375 43.525,22.775 42.135,22.775 41.335,21.975 41.033,21.975 40.325,22.683 40.325,23.475 v1(40.475,23.625)
  Bottom w0.15: v1(25,28.275) 24.904,28.179 24.904,28.149 24.7,27.945 24.7,27.655 24.904,27.451 24.904,27.45 25.3,27.45 25.625,27.775 IC13.5@25.875,27.775
  Bottom w0.2: v1(8.956,19.482) IC7.N1@9.345,19.093 ; v1@36.925,0.475 38.25,0.475 38.85,1.075 IC8.6@38.85,1.3 38.85,1.475 IC8.6@38.8,1.525
FPGA_I2C2_SCL: IC7.U14 IC30.E5 R119.2 | length 38.2
  Top w0.15: IC30.E5@14.375,2.7 15.175,2.7 15.563,2.312 R119.2@15.863,2.312 17.086,2.312 18.05,1.349 v1(18.05,1.187)
  L4 w0.1: v1(15.356,15.986) 15.65,15.691 15.65,15.514 16.839,14.325 22.75,14.325 23.425,13.65 24.675,13.65 25,13.325 25.525,13.325 26.175,12.675 26.175,11 25.175,10 22.35,10 v1(21.45,9.1)
  Bottom w0.15: v1@18.05,1.087 v1(18.05,1.187) 18.975,2.112 18.975,5.25 16.95,7.275 16.95,8.847 17.128,9.025 18.097,9.025 18.296,9.025 19.196,8.125 19.979,8.125 20.604,8.75 21.145,8.75 21.45,9.055 v1(21.45,9.1)
FPGA_I2C2_SDA: IC7.U15 IC30.D5 R118.2 | length 37.5
  Top w0.15: IC30.D5@14.375,3.1 R118.2@15.45,3.1 15.45,3.075 15.525,3 15.538,3 15.838,2.7 17.25,2.7 17.9,3.35 v1(18.625,3.35)
  L4 w0.1: v1(14.977,15.275) 14.977,14.943 15.396,14.525 15.877,14.525 16.034,14.368 16.034,13.741 16.6,13.175 17.55,13.175 17.85,12.875 18.9,12.875 19.375,12.4 21.375,12.4 21.6,12.625 24.075,12.625 24.475,13.025 25.542,13.025 25.975,12.592 25.975,11.083 25.142,10.25 22.14,10.25 21,9.11 v1(21,9.1)
  Bottom w0.15: v1@18.65,3.375 18.65,5.221 16.7,7.171 16.7,8.951 17.024,9.275 18.4,9.275 19.3,8.375 19.875,8.375 20.6,9.1 v1(21,9.1)
  Bottom w0.2: v1(14.977,15.275) 15.055,15.275 15.328,15.548 15.7,15.548 IC7.U15@15.709,15.557
FPGA_LED1: IC7.N18 R97.2 | length 43.5
  L3 w0.1: v1(35.3,6.925) 35.725,6.5 39.408,6.5 40.408,7.5 41.5,7.5 41.725,7.275 43.1,7.275 43.225,7.15 43.51,7.15 43.825,7.465 v1(43.825,7.475)
  L6 w0.1: v2(15.356,13.082) 15.738,12.7 16.475,12.7 16.75,12.425 17.975,12.425 18.375,12.825 19.3,12.825 19.567,13.092 19.567,13.552 19.935,13.919 19.935,13.925 20.485,13.925 21.275,13.135 21.275,12.85 22.15,11.975 22.15,11.1 22.343,10.907 24.143,10.907 24.625,10.425 25.2,10.425 26.266,9.359 28.851,9.359 29.489,8.721 29.489,8.379 32.075,5.792 32.075,5.515 33.023,4.567 33.733,4.567 34.825,3.475 34.825,3 35.2,2.625 36.4,2.625 37.025,3.25 37.025,3.925 36.575,4.375 36.575,5.65 v1(35.3,6.925)
  Bottom w0.2: R97.2@43.7,6.88 43.825,7.005 v1(43.825,7.475)
FPGA_LED2: IC7.V19 R102.2 | length 39.6
  L3 w0.1: v1(34.825,6.925) 34.84,6.925 35.165,7.25 35.45,7.25 35.975,6.725 39.35,6.725 40.325,7.7 41.583,7.7 41.808,7.475 v1(43.375,7.475)
  L6 w0.1: v2(18.662,13.887) 18.9,14.125 19.5,14.125 19.725,14.35 20.775,14.35 21.5,13.625 21.8,13.625 24.734,10.691 25.166,10.691 25.816,11.341 27.801,11.341 34.45,4.692 34.45,4.45 35.225,3.675 35.225,3.19 35.39,3.025 36.127,3.025 36.35,3.248 36.35,5.4 v1(34.825,6.925)
  Bottom w0.15: IC7.V19@17.477,14.496 17.674,14.3 18.249,14.3 v2(18.662,13.887)
  Bottom w0.2: R102.2@42.95,6.885 42.975,6.885 43.025,6.935 43.025,7.125 v1(43.375,7.475)
FPGA_PRG_B: C105.1 IC7.V10 R43.2 TP3.1 | length 28.3
  Top w0.15: v1(22.475,11.3) 23.65,10.125 23.65,9.698 23.95,9.398 TP3.1@23.95,6.75
  Top w0.2: R43.2@13.9,17.245 13.9,17.27 14.295,17.665 14.355,17.725 14.995,17.725 15.195,17.525 C105.1@15.195,17.5
  Top w0.3: v1@14.295,17.665 v1(14.295,17.678)
  L6 w0.1: v1(14.295,17.678) 14.247,17.631 13.145,17.631 12.751,18.025 12.061,18.025 11.125,17.089 11.125,14.944 11.792,14.278 11.792,14.065 12.039,13.818 12.3,13.818 12.618,13.5 13.35,13.5 13.879,14.029 14.444,14.029 14.898,13.575 15.525,13.575 16.025,13.075 17.175,13.075 17.45,12.8 18.067,12.8 18.292,13.025 19.217,13.025 19.367,13.175 19.367,13.709 19.808,14.15 20.625,14.15 21.475,13.3 21.785,13.3 22.475,12.61 v1(22.475,11.3)
FPGA_SPI_LMS_SS: IC7.W13 R13.2 | length 28.7
  L4 w0.1: v1@16.18,18.28 15.01,19.45 12.583,19.45 12.054,18.921 11.751,18.921 11.283,18.453 11.014,18.453 10.824,18.644 10.824,18.993 10.575,19.242 10.575,20.325 10.9,20.65 10.9,21.71 11.365,22.175 12.13,22.175 12.45,21.855 12.45,21.183 13.083,20.55 18.217,20.55 19.6,21.933 19.6,23.9 20.5,24.8 22.525,24.8 v1(23.225,24.1)
  Bottom w0.15: IC7.W13@15.709,16.971 15.978,17.24 15.978,17.728 16.175,17.925 v1(16.175,18.275) ; R13.2@22.725,23.53 22.75,23.53 22.825,23.605 22.825,23.68 23.225,24.08 v1(23.225,24.1)
FPGA_SPI_MISO: IC7.W15 R12.2 | length 8.7
  Top w0.15: v1(18,18.5) 18.1,18.6 20.898,18.6 21.073,18.775 21.938,18.775 R12.2@23.12,19.957
  Bottom w0.15: IC7.W15@16.416,16.264 16.639,16.264 18,17.625 v1(18,18.5)
FPGA_SPI_MOSI: IC7.W16 R11.2 | length 6
  Top w0.15: v1@18.35,18.25 18.4,18.3 21.17,18.3 R11.2@21.245,18.375
  Bottom w0.15: IC7.W16@16.77,15.911 18.375,17.516 v1(18.375,18.25)
FPGA_SPI_SCLK: IC7.W14 R10.2 | length 29.1
  L4 w0.1: v1(17.075,18.25) 15.675,19.65 12.5,19.65 11.971,19.121 10.979,19.121 10.775,19.325 10.775,20.175 11.6,21 11.6,21.772 11.803,21.975 12.047,21.975 12.25,21.772 12.25,21.1 13,20.35 18.3,20.35 19.8,21.85 19.8,23.817 20.583,24.6 22.25,24.6 v1(22.75,24.1)
  Bottom w0.15: IC7.W14@16.063,16.618 16.325,16.88 16.325,17.5 v1(17.075,18.25) ; R10.2@22,22.78 22,23.377 22.723,24.1 v1(22.75,24.1)